# Allegro board AB9.brd (continued)
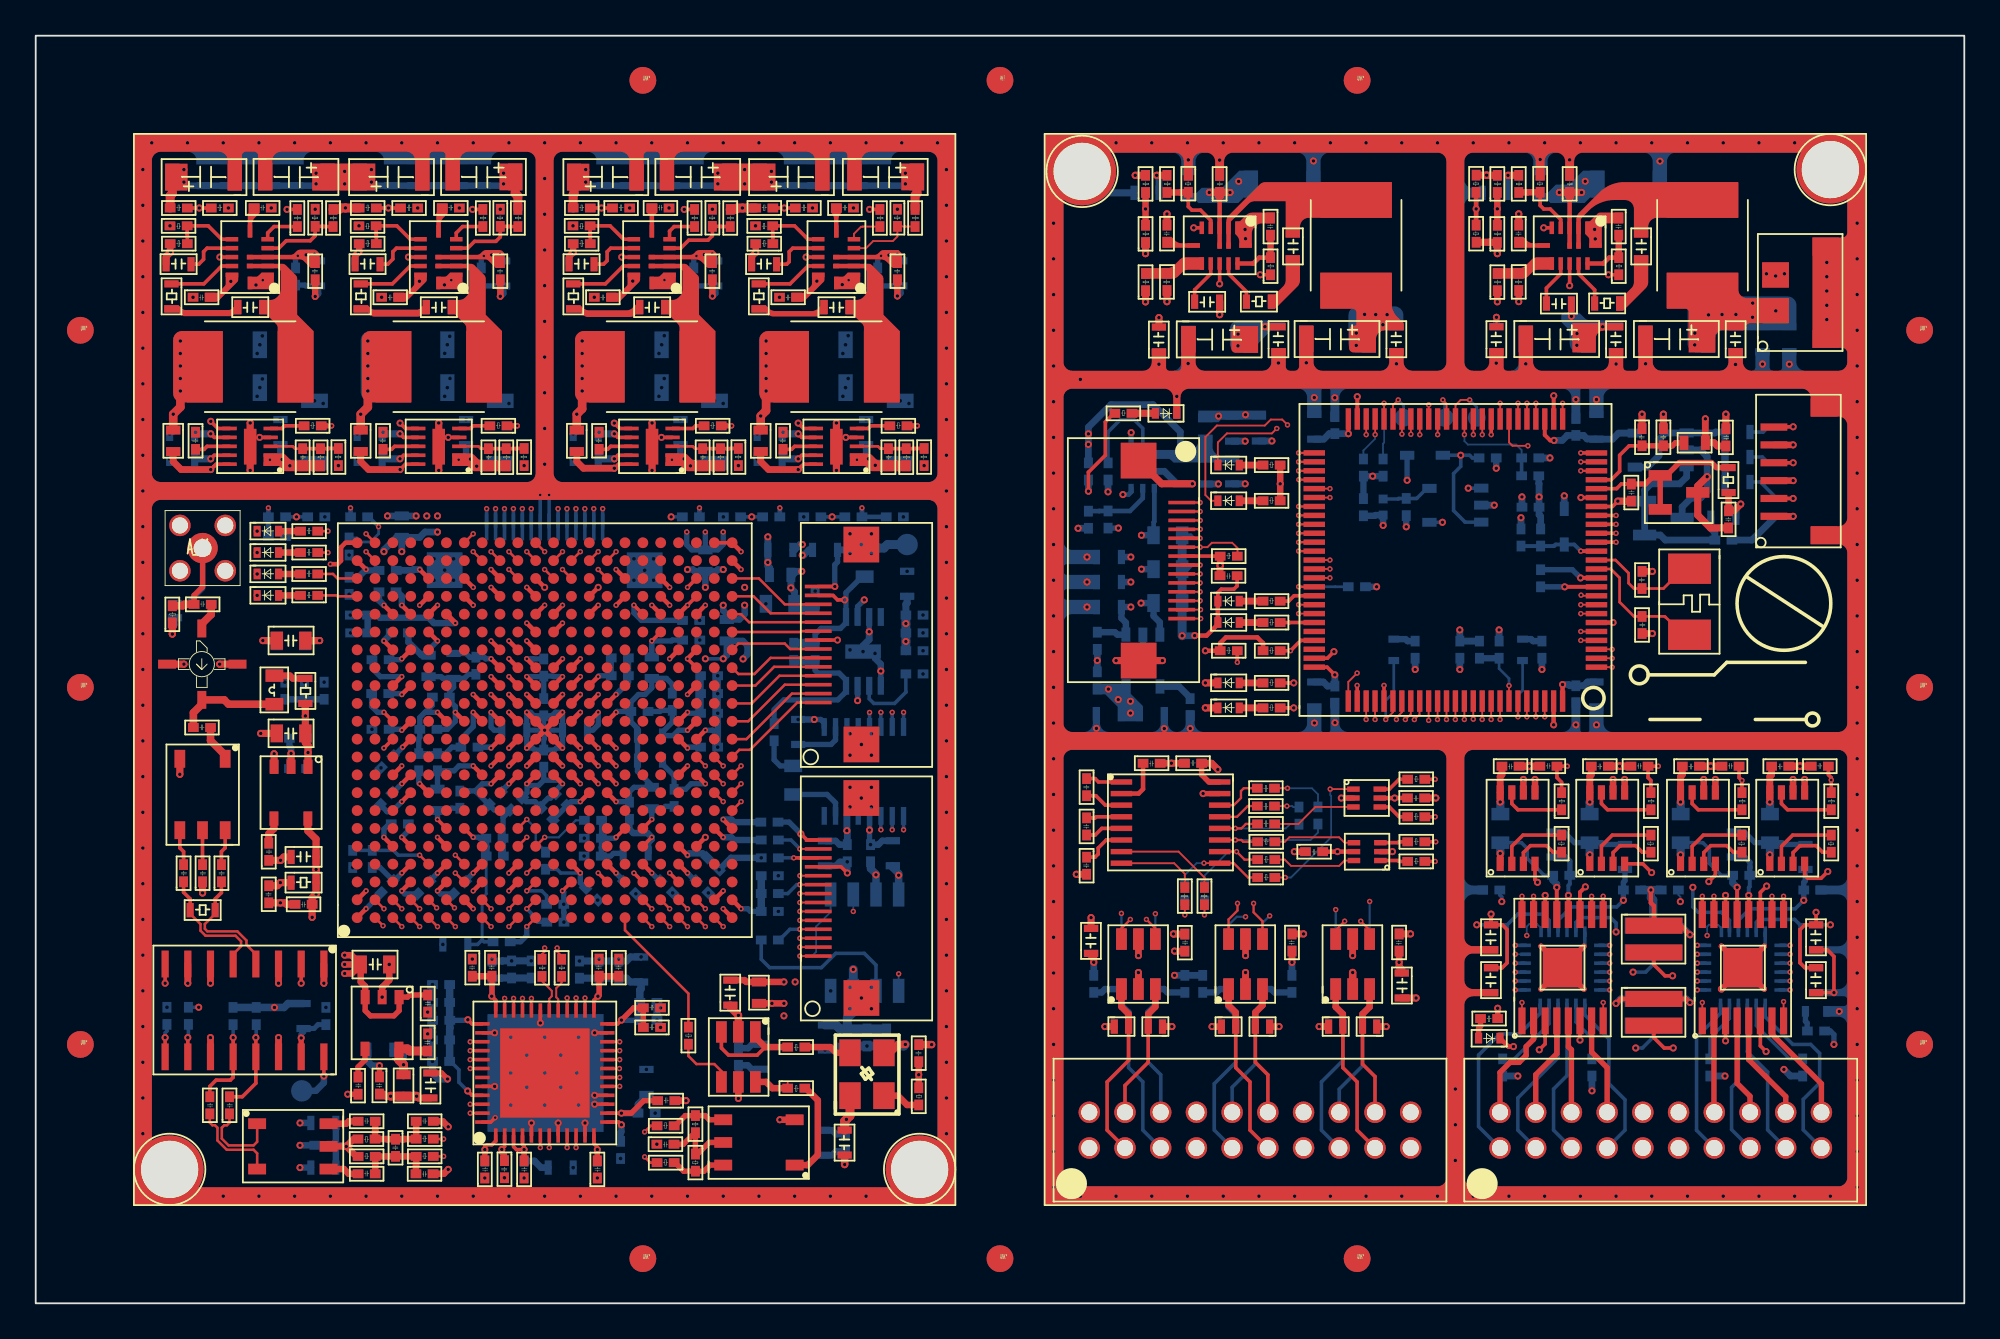
[diagram p0: board, top side]
## Routing (per net, layer and track width the routed paths; a pad name or vN(x,y) marks a point on that pad's centre or on a via; arc(x,y) is an arc through that point) (continued)
A_N8196950: length 9.6
  TOP w0.2: A_R9.2 v2(14.07,61.27)
  SIGNAL-L4 w0.2: v2(10.93,57.24) 10.08,57.24 9.55,57.77 9.55,60.18 10.15,60.79 13.59,60.79 v2(14.07,61.27)
A_N8196956: length 2.2
  TOP w0.2: A_U1.5 12.99,59.95 13.35,60.31 A_R9.1
A_N8197004: length 3.8
  TOP w0.2: A_R29.1 9.41,57.1 10.41,58.1 A_U1.10
A_N8197022: length 2.9
  TOP w0.2: A_C13.2 9.13,58.2 9.4,58.47 9.4,58.9 9.6,59.1 A_U1.8
A_N8197032: length 3.8
  TOP w0.2: A_U1.7 10.41,59.6 9.66,60.35 A_R21.2 8.48,59.87 8.49,59.86 A_R25.1
A_N8197074: length 3.8
  TOP w0.2: A_U2.10 20.97,58.1 19.97,57.1 A_R30.1
A_N8197146: length 4.3
  TOP w0.2: A_U2.4 24.2,59.1 24.58,59.48 25.77,59.48 26.02,59.73 A_R13.2 26.49,60.32 26.5,60.31 A_R14.1
A_N8197148: length 5.5
  TOP w0.2: v2(20.87,58.6) A_U2.9 ; A_R4.2 v2(19.75,61.35) A_R3.1
  SIGNAL-L3 w0.2: v2(20.87,58.6) 20.45,58.6 19.75,59.29 v2(19.75,61.35)
A_N8197154: length 2.9
  TOP w0.2: A_C14.2 19.71,58.2 20,58.49 20,58.9 20.2,59.1 A_U2.8
A_N8197166: length 3.8
  TOP w0.2: A_R26.1 19.07,59.86 19.06,59.87 A_R22.2 20.22,60.35 20.97,59.6 A_U2.7
A_N8197176: length 9.3
  TOP w0.2: A_R12.2 v2(24.46,61.27)
  SIGNAL-L4 w0.2: v2(21.49,57.25) 20.69,57.25 20.18,57.77 20.18,60.28 20.67,60.78 23.97,60.78 v2(24.46,61.27)
A_N8197194: length 2
  TOP w0.2: A_U2.5 23.55,59.95 23.91,60.31 A_R12.1
A_N8197218: length 3.8
  TOP w0.2: A_R31.1 31.9,57.1 32.9,58.1 33.5,58.1
A_N8197290: length 4.2
  TOP w0.2: A_R17.1 38.38,60.31 38.37,60.32 A_R16.2 37.89,59.79 37.65,59.55 36.57,59.55 36.12,59.1 35.5,59.1
A_N8197292: length 5.4
  TOP w0.2: 33.5,58.6 v2(32.82,58.6) ; A_R6.2 v2(31.68,61.35) A_R5.1
  SIGNAL-L3 w0.2: v2(32.82,58.6) 32.37,58.6 31.68,59.29 v2(31.68,61.35)
A_N8197298: length 2.9
  TOP w0.2: A_C15.2 31.8,58.2 32,58.4 32,58.9 32.2,59.1 33.5,59.1
A_N8197310: length 3.8
  TOP w0.2: A_R27.1 31.06,59.86 31.05,59.87 A_R23.2 32.17,60.35 32.92,59.6 33.5,59.6
A_N8197320: length 9.3
  TOP w0.2: A_R15.2 v2(36.32,61.27)
  SIGNAL-L4 w0.2: v2(36.32,61.27) 35.83,60.78 32.88,60.78 31.99,59.9 31.99,57.66 32.4,57.26 v2(33.44,57.26)
A_N8197338: length 2
  TOP w0.2: 35.5,59.6 35.5,60.05 35.75,60.31 A_R15.1
A_N8197362: length 3.7
  TOP w0.2: A_R32.1 42.24,57.1 43.24,58.1 A_U4.10
A_N8197434: length 4.3
  TOP w0.1: A_U4.4 46.5,59.1 46.9,59.5 48,59.5 48.26,59.76 A_R19.2 48.68,60.32 48.69,60.31 A_R20.1
A_N8197436: length 5.5
  TOP w0.2: A_U4.9 v2(43.14,58.6) ; 42.54,61.35 v2(41.92,61.35) A_R7.1
  SIGNAL-L3 w0.2: v2(43.14,58.6) 42.72,58.6 42.71,58.6 42.6,58.6 41.92,59.28 v2(41.92,61.35)
A_N8197442: length 3
  TOP w0.2: A_C16.2 42.05,58.2 42.2,58.34 42.2,58.9 42.4,59.1 A_U4.8
A_N8197454: length 3.9
  TOP w0.2: A_R28.1 41.28,59.83 41.27,59.84 A_R24.2 42.49,60.35 43.24,59.6 A_U4.7
A_N8197464: length 9.5
  TOP w0.2: A_R18.2 v2(46.7,61.27)
  SIGNAL-L4 w0.2: v2(43.75,57.25) 42.89,57.25 42.23,57.91 42.23,60.14 42.85,60.76 46.19,60.76 v2(46.7,61.27)
A_N8197482: length 1.9
  TOP w0.1: A_U4.5 45.82,59.9 46.22,60.3 46.3,60.3 46.31,60.31 A_R18.1
A_N9038018: length 1.2
  TOP w0.36: A_D4.2 A_R48.2
A_N9064761: length 1.9
  TOP w0.2: A_U8.8 42.5,48 42.33,47.83 A_C32.2
A_N9066094: length 3.8
  TOP w0.15: A_C36.2 47.3,47.87 47.17,48 A_U8.3
  TOP w0.2: A_C36.2 A_R43.2 49.18,47.87 49.19,47.88 A_R44.1
A_N9067246: length 1.9
  TOP w0.2: A_R36.2 46.77,49.15 46.62,49 A_U8.5
A_N9071462: length 1.9
  TOP w0.2: A_U7.8 32.2,48 32.03,47.83 A_C31.2
A_N9071470: length 3.7
  TOP w0.15: A_U7.3 36.79,48 36.92,47.87 A_C35.2
  TOP w0.2: A_R42.1 38.92,47.88 38.91,47.87 A_R41.2 A_C35.2
A_N9071570: length 1.8
  TOP w0.2: A_R35.2 36.95,49.15 36.8,49 A_U7.5
A_N9073990: length 2
  TOP w0.2: A_C30.2 19.93,47.83 20.1,48 A_U6.8
A_N9073998: length 3.7
  TOP w0.15: A_U6.3 24.79,48 24.92,47.87 A_C34.2
  TOP w0.2: A_C34.2 A_R39.2 26.91,47.87 26.92,47.88 A_R40.1
A_N9074098: length 1.8
  TOP w0.2: A_R34.2 24.5,49.15 24.35,49 A_U6.5
A_N9076650: length 2
  TOP w0.2: A_C29.2 9.43,47.83 9.6,48 A_U5.8
A_N9076658: length 3.8
  TOP w0.15: A_U5.3 14.39,48 14.52,47.87 A_C33.2
  TOP w0.2: A_C33.2 A_R37.2 16.38,47.87 16.39,47.88 A_R38.1
A_N9076758: length 1.9
  TOP w0.2: A_R33.2 13.94,49.15 13.79,49 A_U5.5
A_NCE: length 19.7
  TOP w0.1: 43.82,22.45 v1(42.79,22.45)
  TOP w0.14: v1(27.5,23.1) A_U9.L3
  SIGNAL-L7 w0.14: v1(42.79,22.45) 40.95,22.45 40.1,21.6 29,21.6 v1(27.5,23.1)
  BOTTOM w0.2: A_R84.1 28.61,22.83 28.34,23.1 v1(27.5,23.1)
A_NCONFIG: length 19.5
  TOP w0.1: 43.82,23.45 v1(42.79,23.45)
  TOP w0.14: v1(27.5,26.1) A_U9.K5
  SIGNAL-L7 w0.14: v1(42.79,23.45) 40.55,23.45 40.4,23.6 30,23.6 v1(27.5,26.1)
  BOTTOM w0.2: A_R83.1 42.12,22.95 42.62,23.45 v1(42.79,23.45)
A_NCSO: length 32.6
  TOP w0.1: 43.82,19.95 v1(42.79,19.95)
  TOP w0.14: v1(22.45,22.15) A_U9.E2
  SIGNAL-L4 w0.14: v1(22.45,22.15) 23,21.6 23,19.8 24.3,18.5 40.7,18.5 42.15,19.95 v1(42.79,19.95) 47.35,19.95 48.33,18.98 v1(48.33,18.45)
  BOTTOM w0.1: A_U17.1 v1(48.33,18.45)
A_NRST_FPGA: length 5.7
  TOP w0.14: A_U9.AB12 39.9,32.6 41.95,34.65 A_J2.3
A_NSTATUS: length 3
  TOP w0.14: v1(27.5,27.1) A_U9.K6
  BOTTOM w0.127: A_R82.2 28.55,25.32 28,25.87 28,26.6 v1(27.5,27.1)
A_RSSI: length 13.3
  TOP w0.2: A_U11.16 v2(16.14,12.73)
  SIGNAL-L8 w0.14: v2(9.13,16.58) 10.82,16.58 11.6,15.8 15.2,15.8 16.14,14.86 v2(16.14,12.73)
  BOTTOM w0.2: A_C225.1 v2(9.13,16.58)
  BOTTOM w0.36: v2(16.14,12.73) 16.14,12.35 15.69,11.9 A_TP4.1
A_SOUTN: length 7.1
  TOP w0.14: A_U11.5 11.06,19.55 11.5,20 11.5,20.28 11.19,20.59 9.51,20.59 9.23,20.87 9.23,21.24 8.65,21.82 A_R52.1
  TOP w0.2: A_C43.1 8.28,23.02 8.65,22.65 A_R52.1
A_SOUTP: length 7.2
  TOP w0.14: A_R52.2 10.05,21.82 9.47,21.24 9.47,20.97 9.61,20.83 11.29,20.83 11.8,20.32 11.8,20.08 12.33,19.55 A_U11.4
  TOP w0.2: A_R52.2 10.05,22.65 10.4,23 A_C45.1
A_TCK: length 22.5
  TOP w0.1: 43.82,21.45 v1(42.79,21.45)
  TOP w0.14: A_U9.L2 v1(27.5,22.1)
  SIGNAL-L7 w0.14: v1(27.5,22.1) 27,21.6 27,20 27.7,19.3 30.2,19.3 30.9,20 40,20 41.45,21.45 v1(42.79,21.45)
  BOTTOM w0.2: A_R85.2 28.09,21.35 27.77,21.68 27.77,21.83 v1(27.5,22.1)
A_TDI: length 19.5
  TOP w0.1: 43.82,23.95 v1(42.79,23.95)
  TOP w0.14: v1(28.5,26.1) A_U9.L5
  SIGNAL-L4 w0.14: v1(28.5,26.1) 31.4,26.1 32.9,24.6 40.2,24.6 40.85,23.95 v1(42.79,23.95)
  BOTTOM w0.127: A_R79.2 30.24,27.05 29.29,26.1 v1(28.5,26.1)
A_TDO: length 17.8
  TOP w0.1: 43.82,22.95 v1(42.79,22.95)
  TOP w0.14: A_U9.L4 v1(27.5,24.1)
  SIGNAL-L4 w0.14: v1(27.5,24.1) 28.97,22.63 38.93,22.63 39.25,22.95 v1(42.79,22.95)
A_TINN: length 5.2
  TOP w0.14: A_T3.2 12.4,8.4 12.2,8.6 10.7,8.6 10.18,9.12 10.18,9.83 10.04,9.97 9.89,9.97 9.75,10.11 A_C63.1
A_TINP: length 4.9
  TOP w0.14: A_C64.1 10.85,10.11 10.71,9.97 10.56,9.97 10.42,9.83 10.42,9.22 10.8,8.84 12.2,8.84 12.4,9.04 A_T3.1
A_TMS: length 19.5
  TOP w0.1: 43.82,21.95 v1(42.79,21.95)
  TOP w0.14: A_U9.L1 v1(27.5,21.1)
  SIGNAL-L4 w0.14: v1(42.79,21.95) 41.25,21.95 39.8,20.5 28.1,20.5 v1(27.5,21.1)
  BOTTOM w0.3: v1(27.5,21.1) 27.5,20.6 27.15,20.25 A_R87.2
A_VBAT_IN: length 117.8
  TOP w0.5: A_R11.2 16.99,61.27 17.07,61.35 v2(17.34,61.35) 17.35,61.35 A_R3.2 ; A_C4.2 26.85,62.16 27,62.01 A_R14.2 ; A_R5.2 30.1,62.1 30.15,62.15 A_C5.2 ; A_R20.2 49.24,62.06 49.35,62.16 A_C8.2 ; A_C1.2 7.65,62.15 7.53,62.03 A_R1.2 ; A_R17.2 39.2,61.27 39.28,61.35 v2(39.57,61.35) A_R7.2
  PWR-L6 w0.6: v2(26.2,63.3) v2(26.2,62.7) 26.2,61 25.54,60.34 v2(25.54,58.72) ; v2(26.2,63.3) 22.5,63.3 22.3,63.5 v2(18.8,63.5) v2(18.8,62.8) ; v2(26.2,63.3) 26.8,63.3 27.5,64 29.62,64 30.12,63.5 v2(30.8,63.5) ; v2(47.78,58.71) 47.74,58.67 v1(47.34,58.67) ; v2(47.78,58.71) 47.78,60.08 48.7,61 v2(48.7,62.7) v2(48.7,63.3) 44.7,63.3 44.6,63.4 v2(41.2,63.4) ; v2(47.78,58.71) 48.18,58.71 v1(48.25,58.78) ; v2(25.54,58.72) 25.96,58.72 v1(26.01,58.77) ; v2(25.54,58.72) 25.48,58.66 v1(25.09,58.66) ; v2(30.8,63.5) v2(30.8,62.8) ; v2(30.8,63.5) 35.4,63.5 35.6,63.3 v2(38.2,63.3) ; v2(37.44,58.74) 37.83,58.74 v1(37.88,58.8) ; v2(37.44,58.74) 37.37,58.66 v1(37,58.66) ; v2(37.44,58.74) 37.44,59.84 38.95,61.35 v2(39.57,61.35) 39.57,62.09 39.7,62.22 v2(39.7,62.7) v2(39.7,63.5) ; v2(38.2,63.3) 38.7,63.3 38.9,63.5 v2(39.7,63.5) ; v2(38.2,63.3) v2(38.2,62.7) ; v2(15.14,58.73) 15.09,58.67 v1(14.68,58.67) ; v2(15.14,58.73) 15.55,58.73 v1(15.61,58.78) ; v2(15.14,58.73) 15.14,60.34 15.7,60.9 v2(15.7,62.7) v2(15.7,63.3) ; v2(15.7,63.3) 16.5,63.3 16.6,63.4 v2(17.3,63.4) v2(17.3,62.7) 17.3,62.22 17.34,62.18 v2(17.34,61.35) ; v2(15.7,63.3) 12.1,63.3 12,63.4 9.8,63.4 9.7,63.5 v2(8.3,63.5) ; v2(39.7,63.5) 40.62,63.5 40.72,63.4 v2(41.2,63.4) ; v2(41.2,62.8) v2(41.2,63.4)
  PWR-L6 w0.7: v2(17.3,63.4) 18,63.4 18.1,63.5 v2(18.8,63.5) ; v2(8.3,63.5) v2(8.3,62.8)
  BOTTOM w0.3: v1(37,58.66) 36.85,58.51 A_C101.1 ; v1(14.68,58.67) 14.55,58.54 A_C103.1 ; A_C102.1 24.95,58.52 v1(25.09,58.66) ; A_C100.1 47.15,58.48 v1(47.34,58.67)
  BOTTOM w0.36: v2(15.7,62.7) 15.6,62.6 A_C91.2 A_C92.2 A_C93.2 A_C94.2 A_C95.2 8.5,62.6 v2(8.3,62.8) ; v2(48.7,62.7) 48.6,62.6 A_C76.2 A_C77.2 A_C78.2 A_C79.2 A_C80.2 41.4,62.6 v2(41.2,62.8) ; v2(30.8,62.8) 31,62.6 A_C85.2 A_C84.2 A_C83.2 A_C82.2 A_C81.2 38.1,62.6 v2(38.2,62.7) ; v2(18.8,62.8) 19,62.6 A_C90.2 A_C89.2 A_C88.2 A_C87.2 A_C86.2 26.1,62.6 v2(26.2,62.7)
  BOTTOM w0.38: v2(15.14,58.73) 15.48,58.39 A_C97.2 ; A_C98.2 37.8,58.38 v2(37.44,58.74) ; A_C96.2 48.1,58.39 v2(47.78,58.71) ; v2(25.54,58.72) 25.88,58.38 26.18,58.38
A_VCCA_2V5: length 84.2
  TOP w0.2: A_U9.T6 v1(32.5,26.1) ; A_U9.U18 v1(33.5,39.1) ; v1(42.45,24.95) 42.78,24.95 42.78,24.95 43.82,24.95 ; A_U9.G6 v1(24.5,26.1)
  TOP w0.3: A_U9.F18 v1(23.5,38.1)
  PWR-L6 w0.3: 33.2,40 33.3,40 34.4,41.1 v2(36.5,41.1) ; 33.2,40 28.4,40 26.5,38.1 v1(23.5,38.1) 22.3,38.1 21.76,37.56 21.76,30.74 24.5,28 ; 33.2,40 33.5,39.7 v1(33.5,39.1) ; v1(24.5,26.1) 24.5,28 ; 24.5,28 28.6,28 30.5,26.1 v1(32.5,26.1) 33.4,25.2 35,25.2 35.7,25.9 37.2,25.9 38.15,24.95 v1(42.45,24.95) ; v2(36.5,41.1) v2(37.5,40.1) v2(38.5,41.1) v2(36.5,41.1)
  BOTTOM w0.16: 25,20.36 25,22.7 25.23,22.93 A_C200.2
  BOTTOM w0.2: A_R87.1 25.11,20.25 25,20.36 24.74,20.1 A_C213.2 ; A_C201.1 v1(42.45,24.95)
  BOTTOM w0.3: A_R79.1 31.69,26.06 A_C192.1 ; A_C193.1 24.85,26.05 24.8,26.1 v1(24.5,26.1) ; A_C140.1 33.92,38.25 33.5,38.67 v1(33.5,39.1) ; v1(32.5,26.1) 32.45,26.05 A_C192.1 ; A_C198.2 32.35,25.2 32.2,25.05 A_C199.2 31.67,25.53 31.68,25.54 A_C192.1
  BOTTOM w0.36: v2(36.5,41.1) 36.8,41.1 36.9,41 A_L13.2 ; v1(23.5,38.1) 22.3,38.1 22,38.4 19.27,38.4 19.12,38.55 A_C139.2 18.59,38.54 A_C143.1 ; A_L13.2 38.1,41 38.2,41.1 v2(38.5,41.1) ; A_L13.2 v2(37.5,40.1)
  BOTTOM w0.4: A_C200.2 25.23,25.55 25.21,25.57 A_C193.1
A_VCCINT_1V2: length 119.4
  TOP w0.25: A_U9.J14 v1(25.5,35.1) ; A_U9.P9 v1(31.5,29.1) ; A_U9.L14 v1(27.5,35.1) ; A_U9.P12 v1(31.5,33.1) ; A_U9.L9 v1(27.5,29.1) ; v1(26.5,35.1) A_U9.K14 ; v1(31.5,34.1) A_U9.P13 ; A_U9.P14 v1(31.5,35.1) ; v1(24.5,30.1) A_U9.H9 ; A_U9.M9 v1(29.5,29.1) ; v1(32.5,33.1) A_U9.R12 ; v1(25.5,33.1) A_U9.J12 ; v1(31.5,30.1) A_U9.P10 ; A_U9.R10 v1(32.5,30.1) ; A_U9.P11 v1(31.5,31.1) ; A_U9.J10 v1(25.5,30.1) ; A_U9.R8 v1(32.5,28.1) ; v1(29.5,35.1) A_U9.M14 ; A_U9.N14 v1(30.5,35.1) ; A_U9.J13 v1(25.5,34.1) ; v1(26.5,29.1) A_U9.K9 ; A_U9.M15 v1(29.5,36.1) ; A_U9.L16 v1(27.5,37.1) ; A_U9.N9 v1(30.5,29.1) ; v1(23.5,33.1) A_U9.G12 ; v1(25.5,37.1) A_U9.J16 ; A_U9.J11 v1(25.5,31.1) ; v1(26.5,36.1) A_U9.K15
  PWR-L6 w0.38: v1(31.5,33.1) v1(31.5,34.1) v1(31.5,35.1) ; v1(31.5,33.1) v1(32.5,33.1) ; v1(31.5,33.1) v1(31.5,31.1) v1(31.5,30.1) ; v1(32.5,30.1) v1(31.5,30.1) ; v1(31.5,30.1) v1(31.5,29.1) ; v2(39.61,36.09) 39.03,36.09 39.02,36.1 v2(38.5,36.1) ; v1(29.5,35.1) v1(30.5,35.1) ; v1(29.5,35.1) v1(27.5,35.1) v1(26.5,35.1) ; v1(29.5,35.1) v1(29.5,36.1) ; v1(30.5,35.1) v1(31.5,35.1) ; v1(30.5,35.1) v1(29.5,36.1) ; v1(26.5,36.1) v1(27.5,37.1) 28.5,37.1 v1(29.5,36.1) ; v1(26.5,36.1) v1(26.5,35.1) ; v1(26.5,36.1) v1(25.5,37.1) 24.2,37.1 23.5,36.4 v1(23.5,33.1) 23.5,31.1 v1(24.5,30.1) v1(25.5,30.1) ; v2(38.5,36.1) v2(37.5,36.1) ; v2(38.5,36.1) 38.5,36.8 37.8,37.5 35.8,37.5 33.9,35.6 32,35.6 v1(31.5,35.1) ; v1(31.5,29.1) v1(32.5,28.1) ; v1(31.5,29.1) v1(30.5,29.1) v1(29.5,29.1) v1(27.5,29.1) v1(26.5,29.1) v1(25.5,30.1) ; v1(26.5,35.1) v1(25.5,35.1) v1(25.5,34.1) v1(25.5,33.1) v1(25.5,31.1) v1(25.5,30.1)
  BOTTOM w0.2: v2(38.5,36.1) v2(37.5,36.1)
  BOTTOM w0.3: A_C148.2 A_C155.2 31.55,35.15 v1(31.5,35.1) ; A_C168.2 31.2,32.1 31.5,32.4 v1(31.5,33.1) ; A_C151.2 22.8,35 22.7,35.1 A_L16.2 ; A_C151.2 24,35 24.23,35.23 A_C150.2 ; A_C151.2 23.4,34.5 23.17,34.27 A_C161.2 23.17,33.76 23.5,33.43 v1(23.5,33.1) 23.5,32.6 23.05,32.15 A_C166.2 ; A_C164.2 33.33,32.57 33.7,32.2 A_C171.2 A_C176.2 33.7,29.8 34.5,29 A_L18.2 33.5,28.9 33.25,28.65 A_C188.2 33.22,28.1 v1(32.5,28.1) ; A_C164.2 32.55,33.15 v1(32.5,33.1) ; A_C164.2 33.33,33.68 33.75,34.1 34.13,34.1 34.5,34.47 A_L17.2 35.32,35 35.65,34.67 A_C162.2 ; v1(25.5,33.1) 25.5,32.27 25.67,32.1 A_C169.2 ; v1(27.5,35.1) 28.42,35.1 A_C152.2 ; 27.51,29.09 27.6,29 28.15,29 28.45,29.3 ; 27.51,29.09 v1(27.5,29.1) ; 27.51,29.09 27.51,28.6 27.26,28.35 A_C187.2 27.47,28.1 27.95,28.1 A_C189.2 28.29,27.89 28.7,28.3 28.83,28.3 A_C185.2 29.09,28.69 v1(29.5,29.1) 29.3,29.3 28.45,29.3 ; A_C152.2 28.98,35.13 29.01,35.1 v1(29.5,35.1) ; A_C152.2 A_C163.2 ; v1(25.5,31.1) 25.45,31.15 A_C174.2 ; A_C175.2 28.45,29.3 ; v1(24.5,30.1) 23.7,30.1 23.43,29.83 A_C178.2 22.5,29.83 A_L19.2 ; v1(26.5,29.1) 26.06,28.66 A_C183.2
  BOTTOM w0.36: v2(39.61,36.09) 39.85,36.34 39.85,36.85 39.6,37.1 A_L15.1 38.7,36.3 v2(38.5,36.1)
A_VCCIO_3V3: length 309.7
  TOP w0.2: A_U14.24 32.59,15.65 v2(32.8,15.86) ; A_U14.37 24.43,15.65 v2(24.2,15.88) ; A_U14.25 31.26,16.98 v2(31.48,17.2) ; v2(25.54,17.2) 25.76,16.98 A_U14.36 ; A_U14.45 24.43,11.65 v2(24.19,11.89) ; v2(42.85,26.29) 43.19,25.95 43.82,25.95 ; A_U9.Y19 v1(36.5,39.1)
  TOP w0.25: A_U9.J20 v1(25.5,41.1) ; A_U9.A2 v1(18.5,23.1) ; A_U9.D11 v1(20.55,31.15) ; A_U9.AB2 v1(39.5,22.1) ; A_U9.U4 v1(34.5,24.1) ; A_U9.W5 v1(36.5,25.1) ; v1(18.5,41.1) A_U9.A21 ; v1(36.5,39.1) A_U9.W18 ; A_U9.E19 v1(21.5,39.1) ; A_U9.D4 v1(20.5,24.1) ; A_U9.W16 v1(35.5,36.1) ; A_U9.AA6 v1(38.5,26.1) ; v1(31.5,39.1) A_U9.P18 ; v1(26.5,24.1) A_U9.K4 ; A_U9.G19 v1(24.5,39.1) ; A_U9.Y14 v1(36.5,34.1) ; A_U9.T19 v1(32.5,39.1) ; v1(20.5,29.1) A_U9.D9 ; v1(27.5,40.1) A_U9.L19 ; A_U9.N4 v1(30.5,24.1) ; A_U9.H4 v1(24.5,24.1) ; A_U9.E8 v1(21.5,29.1) ; A_U9.V19 v1(35.5,39.1) ; A_U9.AB21 v1(39.5,41.1) ; A_U9.W11 v1(36.5,31.1) ; v1(36.5,24.1) A_U9.W4 ; A_U9.D12 v1(20.5,32.1) ; v1(20.5,34.1) A_U9.D14 ; v1(20.5,39.1) A_U9.D18 ; A_U9.D16 v1(20.5,36.1) ; v1(36.5,33.1) A_U9.W12 ; v1(22.5,24.1) A_U9.F4 ; A_U9.R4 v1(32.5,24.1) ; A_U9.W9 v1(36.5,30.1) ; A_U9.D5 v1(20.5,26.1)
  TOP w0.3: v2(31.48,17.2) 31.55,17.27 A_C51.2 ; v2(25.54,17.2) 25.55,17.21 A_C50.2 ; v2(32.8,15.86) 33.49,16.55 A_C55.2 A_C56.2
  TOP w0.36: v2(41.9,18) A_L10.1 39.79,18 39.69,18.1 A_C53.2 ; A_C52.2 A_C51.2 ; A_C49.2 A_C50.2
  PWR-L6 w0.3: 18.7,27.8 19.2,27.3 20.1,27.3 20.5,26.9 v1(20.5,26.1) ; 18.7,27.8 18.7,25.3 ; 18.7,27.8 18.7,29.8 ; v1(24.5,39.1) 23.9,39.1 23.3,39.7 23.3,41 23.2,41.1 ; 32.26,16.4 33.86,18 v2(41.9,18) ; 32.26,16.4 31.5,16.4 ; 32.26,16.4 v2(32.8,15.86) ; 17.63,36.6 17.63,40.3 ; 17.63,36.6 18.13,36.1 v1(20.5,36.1) ; 17.63,36.6 17.63,34.7 ; 17.63,40.3 17.63,41.5 ; 17.63,40.3 17.93,40 20.2,40 20.5,39.7 v1(20.5,39.1) v1(21.5,39.1) ; 17.63,41.5 18.03,41.1 v1(18.5,41.1) 19.1,41.1 19.5,41.5 v2(19.5,42.1) v2(20.5,42.1) 22.2,42.1 ; 17.63,41.5 v1(17.63,44.55) 17.08,45.1 14.4,45.1 13.85,44.55 v1(13.03,44.55) ; 25,15.76 25,12.7 v2(24.19,11.89) ; 25,15.76 25.54,16.3 ; 25,15.76 24.88,15.88 v2(24.2,15.88) ; 47.05,22.7 v2(47.05,24) 47.05,24.65 46.9,24.8 44.5,24.8 43.35,25.95 43.19,25.95 v2(42.85,26.29) ; 47.05,22.7 47.05,19.97 v2(45.78,18.7) 45.09,18 v2(42.53,18) ; 47.05,22.7 v2(48.33,23.98) ; v1(21.5,29.1) v1(20.5,29.1) 19.4,29.1 18.7,29.8 ; 18.7,25.3 18.7,23.73 18.5,23.53 v1(18.5,23.1) ; 18.7,25.3 19.3,25.3 v1(20.5,24.1) v1(22.5,24.1) 23.3,23.3 23.7,23.3 v1(24.5,24.1) v1(26.5,24.1) 27,23.6 28.3,23.6 28.8,24.1 v1(30.5,24.1) 30.5,23.67 30.87,23.3 32.5,23.3 ; 38.8,31.1 v1(36.5,31.1) v1(36.5,30.1) ; 38.8,31.1 39.8,31.1 42.85,28.05 v2(42.85,26.29) ; 38.8,31.1 38.8,32.3 38,33.1 v1(36.5,33.1) v1(36.5,34.1) ; 25.54,16.3 v2(25.54,17.2) ; 25.54,16.3 25.64,16.4 31.5,16.4 ; 23.2,41.1 v1(25.5,41.1) 26.5,40.1 v1(27.5,40.1) ; 23.2,41.1 22.2,42.1 ; 33.8,43.2 25.6,43.2 25,43.8 23.8,43.8 23.2,43.2 v2(22.5,43.2) 22.5,42.4 22.2,42.1 ; 33.8,43.2 33.8,42.8 34.33,42.27 38.57,42.27 ; 33.8,43.2 33.8,44.6 34.3,45.1 36.62,45.1 v1(37.17,44.55) ; v2(42.85,26.29) 39.12,26.29 38.93,26.1 v1(38.5,26.1) ; v1(39.5,22.1) 39.5,23.3 38.7,24.1 v1(36.5,24.1) ; 31.5,16.4 31.5,17.18 v2(31.48,17.2) ; 17.63,34.7 18.23,34.1 v1(20.5,34.1) ; 17.63,34.7 17.63,32.97 18.5,32.1 ; 18.5,32.1 18.7,31.9 18.7,29.8 ; 18.5,32.1 v1(20.5,32.1) 20.5,31.67 20.55,31.62 v1(20.55,31.15) ; v1(46.27,44.55) 45.72,45.1 43.1,45.1 42.55,44.55 v1(41.67,44.55) 41.37,44.25 41.25,44.25 40.1,43.1 39.4,43.1 38.57,42.27 ; v1(31.5,39.1) v1(32.5,39.1) 33.1,38.5 34.9,38.5 v1(35.5,39.1) v1(36.5,39.1) 37.2,38.4 40.4,38.4 40.9,38.9 40.9,40.4 40.2,41.1 v1(39.5,41.1) 38.57,42.03 38.57,42.27 ; v1(36.5,24.1) v1(36.5,25.1) ; v1(36.5,24.1) 36.5,23.6 36.2,23.3 34.5,23.3 ; v1(34.5,24.1) 34.5,23.3 ; 34.5,23.3 32.5,23.3 ; 32.5,23.3 v1(32.5,24.1)
  PWR-L6 w0.36: v2(42.53,18) v2(41.9,18)
  PWR-L6 w0.38: v1(36.5,34.1) 35.5,35.1 v1(35.5,36.1)
  BOTTOM w0.2: v2(24.19,11.89) 23.7,12.38 23.7,13.08 23.23,13.55 A_C236.2 ; A_R82.1 29.19,24.31 29.4,24.1 v1(30.5,24.1)
  BOTTOM w0.26: A_R71.2 v1(37.17,44.55) ; A_R72.2 v1(17.63,44.55) ; v1(46.27,44.55) A_R67.2 A_C128.2 ; A_R74.2 v1(13.03,44.55) ; A_R69.2 v1(41.67,44.55)
  BOTTOM w0.3: A_C205.2 36.94,23.66 v1(36.5,24.1) ; v1(24.5,24.1) 24.06,23.66 A_C209.2 ; A_C212.2 40.03,21.95 39.88,22.1 v1(39.5,22.1) ; A_C179.2 21.45,29.15 v1(21.5,29.1) ; v2(32.8,15.86) 32.81,15.85 A_C226.2 ; A_C216.1 31.55,17.27 v2(31.48,17.2) ; A_C210.2 22.06,23.66 v1(22.5,24.1) ; v1(36.5,31.1) 36.55,31.15 A_C173.2 ; v2(42.85,26.29) 42.19,26.95 A_C190.2 ; A_R81.1 19.28,24.41 A_C207.1 20.07,23.67 v1(20.5,24.1) ; A_C220.1 25.55,17.21 v2(25.54,17.2) ; v1(20.5,26.1) 20.87,26.47 A_C191.2 ; A_C167.1 20.45,32.15 v1(20.5,32.1) ; A_C211.2 30.5,23.55 v1(30.5,24.1) ; v1(20.5,29.1) 20.01,28.61 A_C184.2 ; v2(24.2,15.88) 24.17,15.85 A_C227.1 ; v1(32.5,24.1) 32.93,23.67 A_C208.1 ; v1(20.5,34.1) 20.45,34.15 A_C160.2 ; v1(20.5,36.1) 20.45,36.05 A_C149.1 ; A_C177.1 20.07,30.67 v1(20.55,31.15) ; v1(34.5,24.1) 34.94,23.66 A_C206.2 ; A_C129.2 A_R74.2 ; A_C165.2 36.55,33.05 v1(36.5,33.1)
  BOTTOM w0.36: A_C154.2 A_C159.2 A_C165.2 ; A_C203.2 37.35,25.2 36.6,25.2 v1(36.5,25.1) ; A_C135.2 20.25,39.85 20.5,39.6 v1(20.5,39.1) ; v1(38.5,26.1) 38.96,26.1 39.11,25.95 A_R80.2 ; A_C132.2 18.55,41.05 v1(18.5,41.1) 18.07,40.67 A_C134.2
  BOTTOM w0.38: v2(22.5,43.2) 21.8,43.2 21.5,42.9 A_L12.2 ; A_L12.2 v2(20.5,42.1) ; A_L12.2 20.2,42.9 19.5,42.2 v2(19.5,42.1)
  BOTTOM w0.4: A_C217.1 A_C216.1 A_C215.1 33.08,18.21 33.29,18 A_C214.2 ; A_C220.1 26.08,18.21 26.09,18.22 A_C219.2 A_C218.2
  BOTTOM w0.42: A_C221.2 A_C223.2 23.18,15.86 A_C227.1 23.19,15.42 23.18,15.41 A_C232.2 A_C236.2 ; A_C204.2 A_R83.2 A_C212.2 ; A_C214.2 33.9,17.62 33.83,17.55 A_C222.2 A_C226.2 ; A_C194.2 48,24.4 48.33,24.08 v2(48.33,23.98) A_U17.8 ; A_C195.2 46.75,24.35 47.05,24.05 v2(47.05,24) A_U17.7
  BOTTOM w0.5: A_C228.2 A_C229.2 A_C230.2 ; A_C230.2 45.45,15.98 45.78,16.31 v2(45.78,18.7) ; A_C230.2 45.03,15.37 44.81,15.59 A_C231.2
A_VCOM: length 18.6
  TOP w0.2: A_U14.2 26.26,8.8 26.1,8.64 v2(26.1,8.62)
  TOP w0.3: v2(26.1,8.62) 26.1,8.45 26.25,8.3 A_C71.1
  TOP w0.36: v2(17.39,8.79) 17.8,9.2 A_R61.1 ; v2(17.39,8.79) A_T3.4 ; v2(17.39,8.79) 17.95,8.23 A_R63.2
  SIGNAL-L7 w0.36: v2(17.39,8.79) 19.51,8.79 21.5,6.8 25.2,6.8 26.1,7.7 v2(26.1,8.62)
  BOTTOM w0.36: A_C242.1 16.81,8.63 A_C245.1 ; A_C242.1 17.33,8.85 v2(17.39,8.79) ; A_C242.1 16.81,9.07 A_C239.1
A_VDPL1: length 2.6
  TOP w0.2: A_U9.U6 v1(34.5,27.1)
  BOTTOM w0.3: v1(34.5,27.1) A_L18.1 35.13,27.7 35.26,27.83 A_C182.2
A_VDPL2: length 3.7
  TOP w0.25: v1(22.5,37.1) A_U9.E17
  BOTTOM w0.3: v1(22.5,37.1) 22,36.6 A_L16.1
  BOTTOM w0.36: A_C142.2 20.87,37.03 21.6,36.3 A_L16.1
A_VDPL3: length 2.5
  TOP w0.2: A_U9.F6 v1(22.5,27.1)
  BOTTOM w0.3: A_C186.2 23.26,27.73 23.13,27.6 A_L19.1 v1(22.5,27.1)
A_VDPL4: length 3.4
  TOP w0.2: A_U9.V17 v1(34.5,37.1)
  BOTTOM w0.3: A_C144.2 35.65,37.15 35.6,37.1 v1(34.5,37.1)
  BOTTOM w0.32: A_L17.1 v1(34.5,37.1)
B_3V3_MCU: length 66.3
  TOP w0.2: B_U4.75 72.32,35.63 v2(72.75,35.2) ; B_R23.2 65.88,41.85 65.88,41.85 B_J3.7
  TOP w0.22: v2(85.03,48.33) 84.81,48.33 84.51,48.64 B_U4.28 ; B_U4.11 v2(86.51,40.63) ; B_U4.50 v2(73.51,48.71)
  TOP w0.25: B_U4.6 v2(88.33,38.13) ; v2(65.5,36.55) B_R26.2 66.33,36.98 66.65,37.3 68.41,37.3 68.73,36.98 B_R27.2 ; B_C40.1 76.11,28.3 v2(76.1,28.3) B_U5.5 ; 85.5,33.73 v2(85.5,34.66) ; B_U11.5 v2(72.9,25.3) 72.89,25.3 B_C42.2
  TOP w0.3: B_C30.1 65.29,29.61 65.7,29.2 B_U6.16
  TOP w0.36: B_C49.2 v2(76.35,19.1) ; B_C47.1 63.78,19.72 v2(63.77,19.73) ; B_R21.1 B_C25.1 95.12,44.39 95.48,44.75 v2(95.48,44.77) ; B_U13.5 v2(67.75,19.47) ; B_R20.1 v2(69.69,45.9) B_R22.1 ; B_U12.5 v2(61.75,19.47) ; B_U14.5 v2(73.75,19.47) ; B_C48.2 v2(70.35,19.1)
  TOP w0.38: v2(93.5,49.54) B_L3.1 93.99,48.2 94.17,48.02 B_C23.1 ; B_C30.1 65.85,30.25 v2(66.2,29.9) ; v2(76.35,19.1) 76.35,18.85 76.5,18.7 B_C52.1 ; B_R23.2 v2(66.33,41.33) 66.32,41.32 B_C26.1 ; v2(59.25,19.1) 59.25,19.35 59.1,19.5 B_C46.1
  BOTTOM w0.3: v2(86.51,40.63) 86.05,41.09 B_C88.1 ; B_D15.2 v2(76.8,46.1)
  BOTTOM w0.36: v2(75.45,43.57) B_L5.2 75.03,44.15 74.99,44.11 B_C81.1 ; B_C49.2 v2(76.35,19.1) ; B_R66.2 v2(75.09,40.13)
  BOTTOM w0.38: B_C96.1 86.9,34.8 86.69,34.59 B_C95.1 85.92,34.59 85.85,34.66 v2(85.5,34.66) ; B_R65.1 84.28,44.08 84.19,44.16 B_C82.1 v2(84.19,45.17) 84.19,45.9 84.17,45.92 B_R60.2 ; v2(79.75,37.72) B_C93.1 B_R69.1 ; v2(85.03,48.33) 85.48,48.33 85.76,48.61 B_C73.1 86.68,48.61 86.88,48.41 87.39,48.41 B_C71.1 88.3,48.4 88.64,48.74 B_U17.5 ; B_U12.5 v2(61.75,19.47) ; B_U13.5 v2(67.75,19.47) ; B_R67.2 v2(84.35,35.5) ; B_C48.2 v2(70.35,19.1) B_R78.2 ; B_C98.1 72.11,34.8 72.34,34.57 B_C97.2 v2(72.75,35.2) ; v2(63.77,18.37) B_R80.2 B_R79.2 ; v2(66.2,29.9) 65.85,30.25 B_C102.1 ; B_U14.5 v2(73.75,19.47) ; B_R81.2 v2(59.25,19.1) 59.25,19.3 59.1,19.45 B_C46.1 ; B_C120.2 v2(63.77,19.73) ; v2(95.48,44.77) 95.21,44.5 B_R62.1 ; B_C72.1 72.13,48.4 72.44,48.71 B_C70.1 73.51,48.71 v2(73.51,48.71) ; B_C52.1 76.5,18.7 76.35,18.85 v2(76.35,19.1) ; B_R70.2 v2(77.25,35.5)
  vias: v2(60.07,34.4) v2(60.62,33.81) v2(61.3,33.72) v2(61.3,33.06)
B_3V3_MCU_A: length 6.3
  TOP w0.2: B_U4.22 88.23,46.13 88.7,46.6 88.7,47.5 89.23,48.03 B_C21.2
  TOP w0.3: B_L3.2 91.82,48.2 91.65,48.03 B_C22.2 B_C21.2
B_5V5_MCU_IN: length 11
  BOTTOM w0.3: v2(61.34,48.77) B_U18.4
  BOTTOM w0.38: B_R59.2 v2(58.95,48.11) v2(58.95,48.7) 58.95,49.07 60.22,50.34 62.57,50.34 64.1,48.81 64.1,47.3
B_5V5_MCU_PWR: length 2.6
  TOP w0.4: B_C19.2 v2(62.9,55.21) ; B_C9.1 v2(66.3,55.37) ; B_R14.2 v2(63.35,56.1) ; B_C11.2 v2(68.84,54.7)
  vias: v2(66.24,49.69) v2(67.33,54.29) v2(67.33,53.63) v2(67.75,49.77) v2(73.95,54.34) v2(73.95,53.66) v2(74.42,55.39) v2(75.04,55.38) v2(75.44,54.81) v2(75.68,55.38)
B_5V_MCU: length 71
  TOP w0.2: v2(58.95,45.49) 58.95,46.55 59.9,47.5 59.9,49.37 60.38,49.85 B_R19.2
  TOP w0.38: B_C33.1 87.11,29.61 87.03,29.53 B_U8.8 v2(87.03,28.08) ; B_C35.1 92.21,29.61 92.11,29.51 B_U9.8 v2(92.11,28.08) ; B_C37.1 97.21,29.61 97.11,29.51 B_U10.8 v2(97.11,28.08) ; v2(82.01,28.08) B_U7.8 82.01,29.51 82.11,29.61 B_C31.1
  SIGNAL-L4 w0.5: v2(61.9,39.22) 61.55,39.22 v2(61.33,39) ; v2(61.33,39) v2(61.33,40.4) 61.33,40.52 v2(61.92,41.12) 61.92,41.2 v2(61.33,41.8) 61.33,42.42 v2(61.92,43.02) 61.52,43.42 v2(60.63,43.42) ; v2(61.33,39) 60.07,37.74 59.09,37.74 58.16,36.82 58.16,31.83 58.86,31.13 65.9,31.13 66.37,31.61 69.7,31.61 70.91,30.4 79.69,30.4 v2(82.01,28.08)
  BOTTOM w0.26: B_U18.1 62.64,43.79 62.6,43.75 B_C83.2
  BOTTOM w0.3: B_R63.2 v2(60.63,43.42)
  BOTTOM w0.36: B_C87.2 v2(61.92,41.12) ; v2(61.9,39.22) B_C90.2 62.6,38.49 62.95,38.14 B_U21.3 ; B_C89.2 v2(61.33,40.4) ; B_C92.1 60.43,37.59 60.57,37.45 B_U21.1 61.05,38.12 60.8,38.37 B_C91.1 v2(61.33,39) ; B_C86.2 v2(61.33,41.8) ; B_C83.2 v2(61.92,43.02)
  BOTTOM w0.38: 60.05,46.11 v2(60.05,45.45) ; 58.95,46.11 v2(58.95,45.49)
  BOTTOM w0.46: v2(82.01,28.08) 82.02,28.07 B_C106.2 ; v2(87.03,28.08) 87.02,28.07 B_C105.2 ; v2(92.11,28.08) 92.12,28.07 B_C104.2 ; v2(97.11,28.08) 97.12,28.07 B_C103.2
B_12V_MTR: length 2.4
  TOP w0.1: B_C14.2 v2(81.8,55.23)
  TOP w0.36: B_R16.2 v2(83.05,56.1) ; B_C10.1 v2(86,55.28)
  BOTTOM w0.38: B_C14.2 v2(81.8,55.23)
  vias: v2(86.31,54.32) v2(86.3,53.66) v2(87.75,54.7) v2(92.91,54.34) v2(92.9,53.68) v2(93.67,55.36) v2(94.43,55.38) v2(95.21,55.39) v2(96.14,55.23) v2(96.15,56.02) v2(97.44,55.59)
B_BOOT0: length 3.7
  TOP w0.1: 82.5,33.73 v1(82.5,34.6)
  BOTTOM w0.15: B_R68.2 81.95,35.55 82.5,35 v1(82.5,34.6)
  BOTTOM w0.36: B_R68.2 B_R69.2